# Altium PCB RGV_Control_1V21.PcbDoc (part 5 of 6) (continued)
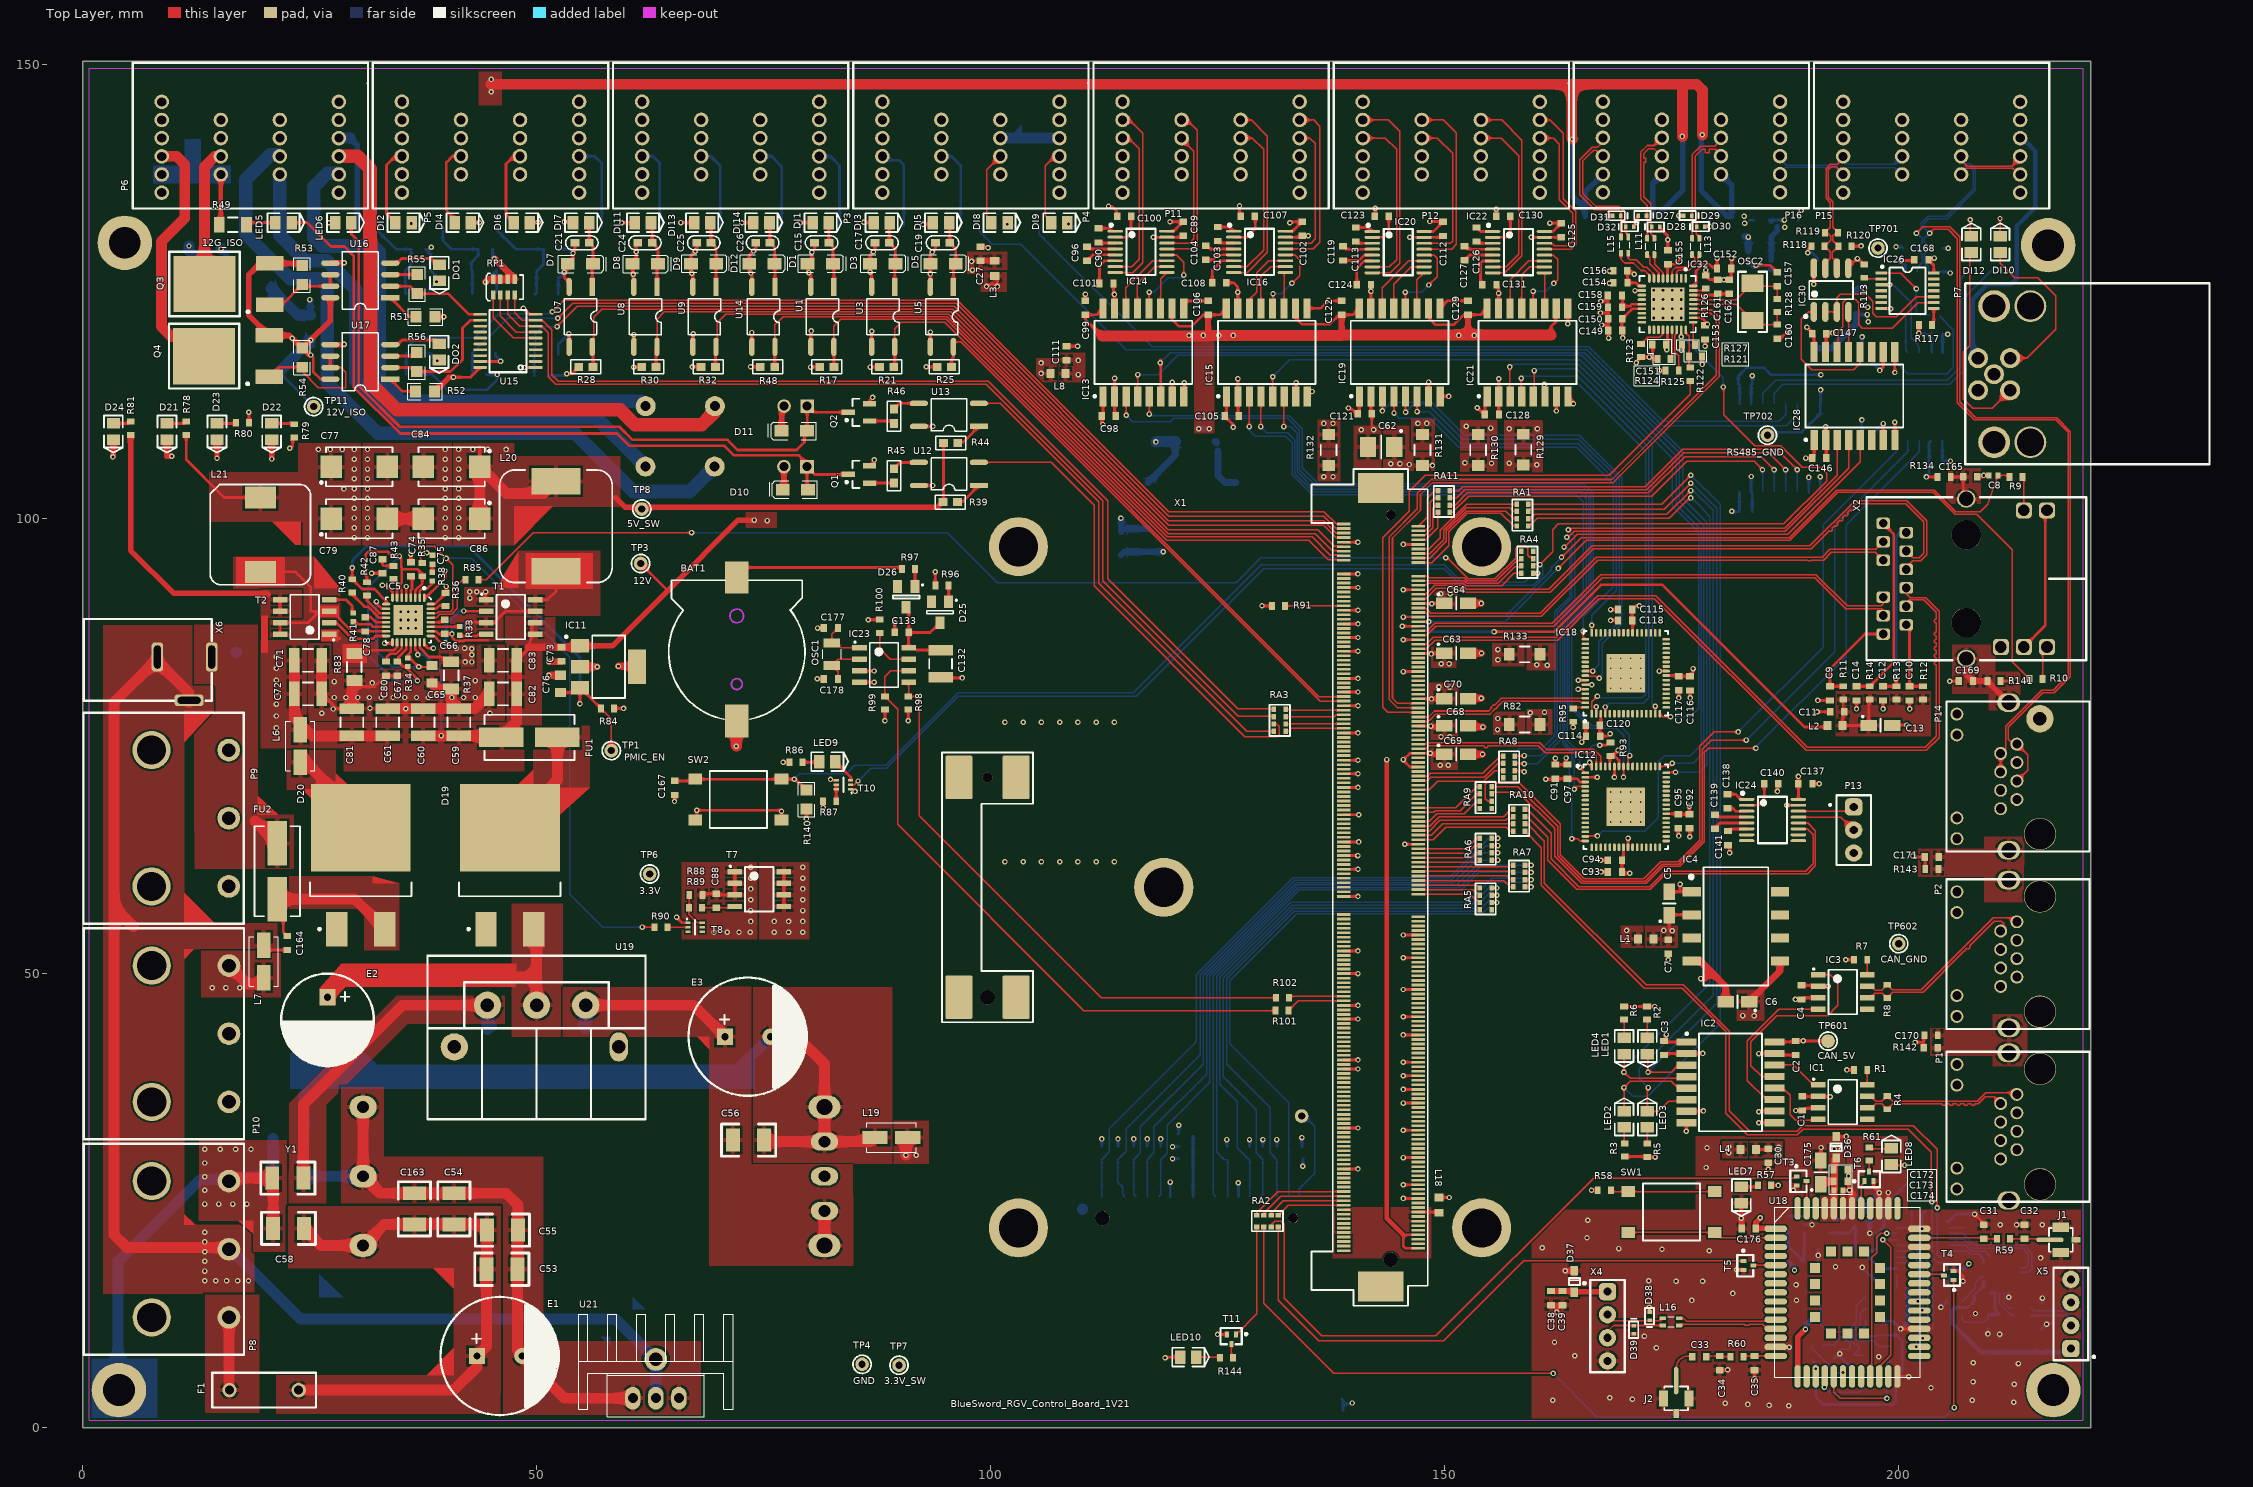
[diagram p0: Top Layer view]
## Nets (pads, with @x,y where several pads share a name; then routed paths per layer and width w, separated by ;. In a path a pad name is that pad's centre, name@x,y a point inside that pad or via, vN(x,y) a via of type N, cw(c..) or ccw(c..) an arc to the next point about the centre after c; other vN are vias at no path point) (continued)
  Bottom Layer w0.75: IC31.5@191.033,118.797 192.597,118.797 195.301,121.501 C145.1@195.301,122.525
  other v1: 196.625,121.7 196.545,123.317
RS485_GND_ISO: C23.1 C143.1 C145.2 C147.1 C168.1 IC6.2 IC6.8 IC25.9 IC25.15 IC26.7 IC27.5 IC28.9 IC28.15 IC30.5 IC31.4 R113.2 R114.2 R117.2 R118.2 TP702.1 | length 34.1
  Top Layer w0.3: v1(189.967,129.311) 189.967,129.665 190.324,130.023 R118.2@190.373,130.023 ; IC28.15@191.912,118.388 191.986,118.462 C147.1@191.986,120.396 192.065,120.475 v1(192.725,120.475) ; IC30.5@194.437,127.597 194.437,127.702 195.4,128.665 v1(195.425,128.665) 195.503,128.665 R113.2@196.164,128.004 ; IC26.7@198.039,123.17 199.055,123.17 v1(199.075,123.15) ; IC28.9@199.532,118.388 199.532,116.145 v1(199.552,116.125) ; v1(200.2,128.45) 201.625,128.45 C168.1@201.7,128.525 ; v1(202.2,120.45) R117.2@202.2,121.35
  Bottom Layer w0.3: IC6.2@183.728,112.673 183.728,114.754 C23.1@183.858,114.884 v1(183.858,115.775) ; TP702.1@185.522,109.22 185.852,109.55 189.281,109.55 191.348,111.618 IC6.8@191.348,112.673 191.375,112.7 v1(191.375,114.2) ; v1(189.967,129.311) 190.437,129.311 191.033,128.715 IC31.4@191.033,128.497 ; IC25.9@195.91,118.288 195.91,120.015 v1(195.936,120.04) ; v1(200.2,128.45) 200.725,127.925 IC27.5@200.725,127.2 ; v1(202.2,120.45) 202.33,120.32 C143.1@203.263,120.32 203.61,119.973 IC25.15@203.61,118.375 ; R114.2@204.828,129.794 v1(205.425,129.794)
  Bottom Layer w0.75: C145.2@195.301,125.125 195.499,125.324 v1(196.24,125.324)
RUN: RA2.8 T11.1 | length 12.8
  Top Layer w0.15: T11.1@127.017,10.214 129.275,12.472 RA2.8@129.275,22.05
RXD: IC9.4 U18.33 | length 8.2
  Bottom Layer w0.15: IC9.4@199.766,18.743 201.607,18.743 202.675,17.675 202.675,12.975 v1(202.575,12.875)
RXD_DBG: IC9.6 U18.30 | length 13.2
  Bottom Layer w0.15: IC9.6@199.766,20.043 199.794,20.015 201.373,20.015 203.708,17.68 203.708,10.883 v1(202.625,9.8)
SHIELD: C165.2 C169.2 C170.2 C171.2 P1.S1 P1.S2 P2.S1 P2.S2 P14.S1 P14.S2 R134.2 R141.2 R142.2 R143.2 X2.S1 X2.S2 | length 12.9
  Top Layer w0.3: R134.2@205.703,104.623 207.061,104.623 C165.2@207.073,104.635 207.073,102.544 X2.S1@207.407,102.21
  Top Layer w0.6: X2.S2@207.407,84.633 207.407,82.893 C169.2@208.15,82.15 R141.2@209.747,82.15 209.747,82.124 P14.S1@212.09,79.781
  Bottom Layer w0.3: P14.S2@211.927,63.525 P14.S2@212.09,63.525
  Bottom Layer w1.2: X2.S2@207.407,84.633 X2.S2@207.407,85.182 ; P2.S2@211.958,43.967 P2.S2@212.09,43.967 ; P14.S2@212.09,63.525 P14.S2@212.09,63.885
SIM_CLK: R63.1 U18.19 | length 6.9
  Bottom Layer w0.15: v1(191.795,4.394) 192.354,3.835 195.555,3.835 196.139,4.42 R63.1@196.139,6.489
SIM_DATA: R64.1 R65.2 U18.21 | length 4.8
  Bottom Layer w0.15: R65.2@190.373,8.95 190.373,8.724 R64.1@191.618,7.479 193.077,6.02 v1(193.85,6.02)
SIM_GND: U18.16 X3.1 | length 6.9
  Top Layer w0.6: U18.16@188.835,5.6 188.835,9.917 v1(189.713,10.795)
  Bottom Layer w0.6: v1(189.713,10.795) 189.713,11.23 X3.1@190.345,11.862
SIM_RST: R62.1 U18.20 | length 12.3
  Top Layer w0.15: U18.20@192.835,5.6 192.835,3.863 193.523,3.175 v1(198.679,3.175)
  Bottom Layer w0.15: v1(198.679,3.175) 198.679,6.971 199.085,7.378 R62.1@199.009,7.454
SIM_VDD: C36.2 C37.1 D43.4 R65.1 U18.18 X3.8 | length 28.8
  Top Layer w0.3: U18.18@190.835,4.635 U18.18@190.835,5.6
  Bottom Layer w0.15: R65.1@190.373,7.5 190.83,7.043 v1(190.83,6.452) ; X3.8@196.345,11.862 196.345,11.153 195.557,10.366 195.557,10.025 197.643,10.025 C37.1@197.739,10.121 198.957,10.121 C36.2@198.958,10.122
  Bottom Layer w0.3: v1(190.83,6.452) 190.83,3.353 191.668,2.515 199.279,2.515 199.635,2.871 199.635,5.388 200.355,6.108 200.355,9.55 199.784,10.122 C36.2@198.958,10.122
TDX_AUX: IC9.7 U18.25 | length 17.5
  Top Layer w0.15: U18.25@197.835,5.6 197.835,6.674 199.075,7.915 199.075,19.8 v1(198.225,20.65)
  Bottom Layer w0.15: v1(198.225,20.65) 199.723,20.65 IC9.7@199.766,20.693
TXD: IC9.3 U18.34 | length 6.3
  Bottom Layer w0.15: IC9.3@199.766,18.093 201.673,18.093 202.135,17.631 202.135,13.91 v1(202.1,13.875)
TXD_DBG: IC9.5 U18.29 | length 13.4
  Bottom Layer w0.15: IC9.5@199.766,19.393 201.432,19.393 203.15,17.675 203.15,11.3 201.9,10.05 v1(201.9,8.875)
UART0_RX_BC20: IC8.12 IC9.16 | length 4.7
  Bottom Layer w0.15: IC9.16@205.466,19.393 207.507,19.393 207.8,19.1 208.725,19.1 209.325,18.5 IC8.12@209.325,18.05
UART0_TX_BC20: IC8.13 IC9.15 | length 5.1
  Bottom Layer w0.15: IC9.15@205.466,20.043 207.357,20.043 208.025,19.375 209.5,19.375 IC8.13@210.075,18.8
UART1_RTS: IC28.3 RA8.6 | length 66.5
  Top Layer w0.15: RA8.6@157.725,73.1 158.706,73.1 v1(158.75,73.056) ; v1(163.6,98.8) 163.6,98.575 164.025,99 187.4,99 193.202,104.802 IC28.3@193.202,108.688
  Bottom Layer w0.15: v1(158.75,73.056) 160.152,73.056 162.725,75.628 162.725,89.529 164.3,91.104 164.3,98.1 v1(163.6,98.8)
UART1_RX_BC20: IC8.20 IC9.14 | length 11.7
  Bottom Layer w0.15: IC9.14@205.466,20.693 207.182,20.693 208.158,19.717 213.633,19.717 214.25,19.1 214.25,17.875 213.925,17.55 IC8.20@213.325,17.55
UART1_RXD: IC28.5 RA8.7 | length 70.2
  Top Layer w0.15: RA8.7@157.725,72.3 158.611,72.3 v1(158.75,72.161) ; v1(163.122,96.9) 163.163,96.9 164.574,98.311 187.736,98.311 195.742,106.317 IC28.5@195.742,108.688
  Bottom Layer w0.15: v1(158.75,72.161) 158.139,72.161 157.675,72.625 157.675,74.225 158.125,74.675 160.654,74.675 162.125,76.146 162.125,89.779 163.732,91.386 163.732,96.515 163.122,97.125 v1(163.122,96.9)
UART1_TX_BC20: IC8.21 IC9.13 | length 13.3
  Bottom Layer w0.15: IC9.13@205.466,21.343 207.009,21.343 208.302,20.05 213.807,20.05 214.6,19.174 214.6,17.375 214.275,17.05 IC8.21@213.325,17.05
UART1_TXD: IC28.4 RA8.5 | length 65.8
  Top Layer w0.15: RA8.5@157.725,73.9 158.7,73.9 v1(158.75,73.95) ; v1(163.425,97.975) 163.588,97.975 164.238,98.625 187.5,98.625 194.472,105.597 IC28.4@194.472,108.688
  Bottom Layer w0.15: v1(158.75,73.95) 160.539,73.95 162.4,75.811 162.4,89.7 163.982,91.282 163.982,97.418 v1(163.425,97.975)
UART2_RTS: IC25.3 RA9.6 | length 88.4
  Top Layer w0.15: RA9.6@155.148,69.723 155.348,69.923 158.102,69.923 162.1,65.925 162.1,62.875 165.1,59.875 172.154,59.875 174.029,61.75 175.882,61.75 178.575,64.443 178.575,74.296 179.033,74.754 v1(184.259,74.754)
  Bottom Layer w0.15: v1(184.259,74.754) 184.259,74.917 194.19,84.848 194.19,99.363 202.24,107.413 IC25.3@202.24,108.588
UART2_RXD: IC25.5 RA9.7 | length 89
  Top Layer w0.15: RA9.7@155.321,68.75 RA9.7@155.148,68.923 154.758,68.923 154.475,69.206 154.475,70.789 154.784,71.098 155.512,71.098 155.718,70.891 158.234,70.891 162.7,66.425 162.7,63.034 165.359,60.375 171.9,60.375 173.775,62.25 175.675,62.25 178.075,64.65 178.075,74.975 179.65,76.55 v1(182.3,76.55)
  Bottom Layer w0.15: v1(182.3,76.55) 191.65,85.9 191.65,99.363 199.7,107.413 IC25.5@199.7,108.588
UART2_TXD: IC25.4 RA9.5 | length 86.9
  Top Layer w0.15: RA9.5@155.148,70.523 158.052,70.523 162.425,66.15 162.425,62.925 165.225,60.125 172.05,60.125 173.925,62 175.779,62 178.325,64.546 178.325,74.65 179.327,75.652 v1(183.198,75.652)
  Bottom Layer w0.15: v1(183.198,75.652) 192.92,85.374 192.92,99.363 200.97,107.413 IC25.4@200.97,108.588
UART3_RXD: IC24.12 RA10.6 | length 43.9
  Top Layer w0.15: RA10.6@158.831,67.221 159.093,67.221 161.35,64.964 161.35,62.4 164.525,59.225 172.6,59.225 174.321,60.946 189.946,60.946 190.8,61.8 190.8,65.675 189.947,66.528 IC24.12@188.93,66.528
UART3_TXD: IC24.11 RA10.5 | length 43
  Top Layer w0.15: RA10.5@158.831,68.021 159.08,68.021 161.697,65.404 161.697,62.591 164.763,59.525 172.546,59.525 174.246,61.225 189.75,61.225 190.55,62.025 190.55,65.225 189.897,65.878 IC24.11@188.93,65.878
USB_BC20_N: L16.4 U18.11 | length 10.8
  Top Layer w0.18: L16.4@175.804,12.008 176.269,12.008 176.602,11.675 182.8,11.675 183.027,11.675 184.995,11.675 186.26,11.675 U18.11@186.435,11.85
USB_BC20_P: L16.3 U18.12 | length 10.7
  Top Layer w0.18: L16.3@176.025,11.33 176.602,11.33 182.8,11.33 183.027,11.33 183.049,11.308 183.049,11.262 183.071,11.24 183.461,11.24 183.483,11.262 183.483,11.308 183.505,11.33 183.7,11.33 184.995,11.33 185.475,10.85 U18.12@186.435,10.85
USB_NB_CON_N: D38.2 L16.1 X4.2 | length 6.5
  Top Layer w0.18: X4.2@167.919,12.395 168.602,11.713 171.156,11.713 173.71,11.713 L16.1@174.004,12.008
USB_NB_CON_P: D39.2 L16.2 X4.3 | length 7
  Top Layer w0.18: X4.3@167.919,9.855 167.919,10.543 168.584,11.208 L16.2@174.004,11.208
USBH2_D_N: IC32.30 X1.82 | length 74.8
  Top Layer w0.18: X1.82@147.062,79.196 144.816,79.196 143.905,80.107 143.905,98.039 146.98,101.114 146.98,102.83 148.5,104.35 168.4,104.35 179.875,115.825 179.875,122.059 179.284,122.65 IC32.30@177.35,122.65
USBH2_D_P: IC32.31 X1.80 | length 74.8
  Top Layer w0.18: X1.80@147.062,79.696 144.804,79.696 144.25,80.25 144.25,97.896 147.325,100.971 147.325,102.687 148.643,104.005 168.543,104.005 180.21,115.672 180.21,122.212 179.422,123 178,123 177.85,123.15 IC32.31@177.35,123.15
USBH2B_D_CON_N: D30.2 L13.3 P16.6 | length 13.4
  Top Layer w0.18: L13.3@178.025,130.9 178.025,131.034 177.665,131.394 177.665,133.77 177.57,133.865 177.57,139.957 178.313,140.7 178.5,140.7 178.652,140.7 cw(c178.652,140.678) 178.674,140.678 178.674,140.331 ccw(c178.696,140.331) 178.696,140.309 179.086,140.309 ccw(c179.086,140.331) 179.108,140.331 179.108,140.678 cw(c179.13,140.678) 179.13,140.7 179.325,140.7 179.775,140.7 180.085,140.39 P16.6@180.085,139.948
USBH2B_D_CON_P: D29.2 L13.4 P16.7 | length 13.4
  Top Layer w0.18: L13.4@177.225,130.9 177.225,131.355 177.225,140.1 178.17,141.045 179.72,141.045 180.407,141.732 P16.7@180.407,141.948
  Bottom Layer w0.18: P16.7@180.009,142.025 P16.7@180.085,141.948
USBH2B_D_N: IC32.3 L13.2 | length 4
  Top Layer w0.18: IC32.3@175.525,126.739 175.525,127.213 175.7,127.389 176.889,127.389 177.846,128.346 177.846,128.859 L13.2@178.07,128.859
USBH2B_D_P: IC32.4 L13.1 | length 4.5
  Top Layer w0.18: IC32.4@175.025,126.475 175.025,127.288 175.416,127.679 176.691,127.679 177.501,128.489 177.501,128.824 L13.1@177.225,129.1
USBH2C_D_CON_N: D28.2 L11.3 P16.10 | length 12.6
  Top Layer w0.18: L11.3@173.075,130.9 173.075,131.034 172.69,131.419 172.69,133.77 172.659,133.801 172.659,134.636 172.659,134.716 171.9,135.475 171.9,138.625 171.9,138.842 171.9,139.254 cw(c171.922,139.254) 171.922,139.276 172.092,139.276 ccw(c172.092,139.298) 172.113,139.298 172.113,139.688 ccw(c172.092,139.688) 172.092,139.71 171.922,139.71 cw(c171.922,139.732) 171.9,139.732 171.9,140.225 172.45,140.775 173.025,140.775 173.585,140.215 P16.10@173.585,139.948
USBH2C_D_CON_P: D27.2 L11.4 P16.11 | length 12.6
  Top Layer w0.18: D27.2@172.259,133.4 172.257,134.55 171.555,135.252 171.555,140.368 172.307,141.12 173.045,141.12 173.585,141.66 P16.11@173.585,141.948 ; L11.4@172.275,130.9 D27.2@172.275,133.4
USBH2C_D_N: IC32.6 L11.2 | length 2.8
  Top Layer w0.18: L11.2@173.1,128.852 173.1,128.044 174.025,127.119 IC32.6@174.025,126.475
USBH2C_D_P: IC32.7 L11.1 | length 3
  Top Layer w0.18: L11.1@172.319,129.144 172.319,129.063 172.568,128.815 172.568,128.088 173.55,127.106 IC32.7@173.55,126.675
USBH2D_D_CON_N: D32.2 L15.3 P16.14 | length 15.9
  Top Layer w0.18: P16.14@167.085,139.948 167.085,140.19 166.675,140.6 166.4,140.6 165.935,140.135 165.2,139.4 165.2,137.008 165.2,135.838 166.643,134.395 169.218,134.395 ; 169.644,133.969 169.218,134.395 ; D32.2@169.857,132.182 169.857,131.616 ; L15.3@170.2,131.042 170.2,131.273 169.857,131.616 ; 169.218,134.395 169.857,133.756 169.857,131.616
USBH2D_D_CON_P: D31.2 L15.4 P16.15 | length 15.7
  Top Layer w0.18: P16.15@167.085,141.948 167.085,141.184 166.808,140.906 166.219,140.906 165.691,140.379 164.855,139.543 164.855,137.008 164.855,135.695 166.5,134.05 169.075,134.05 169.4,133.725 D31.2@169.4,133.194 ; L15.4@169.425,131.042 169.4,131.067 169.4,133.035 ; 169.4,133.035 D31.2@169.4,133.194 ; 169.4,133.035 D31.2@169.4,133.194
USBH2D_D_N: IC32.8 L15.2 | length 4.5
  Top Layer w0.18: L15.2@170.2,129.242 170.2,128.707 170.384,128.524 171.069,128.524 171.893,127.7 172.247,127.7 173.025,126.922 IC32.8@173.025,126.475
USBH2D_D_P: IC32.9 L15.1 | length 4.9
  Top Layer w0.18: L15.1@169.4,129.242 169.4,128.588 169.809,128.179 170.776,128.179 171.599,127.355 172.02,127.355 172.525,126.85 IC32.9@172.525,126.475
USBH3_D_N: IC18.63 X1.88 | length 19.4
  Top Layer w0.18: X1.88@147.062,77.696 148.123,77.696 148.278,77.851 148.35,77.851 149.016,78.517 154.971,78.517 155.557,79.103 155.607,79.103 155.843,79.339 155.843,79.389 156.366,79.912 164.924,79.912 165.019,79.817 165.416,79.817 IC18.63@165.476,79.757
USBH3_D_P: IC18.62 X1.86 | length 19.4
  Top Layer w0.18: X1.86@147.062,78.196 148.207,78.196 148.873,78.862 154.828,78.862 154.988,79.022 155.134,79.168 ccw(c155.119,79.183) 155.134,79.198 155.092,79.24 cw(c155.107,79.256) 155.092,79.271 155.368,79.547 cw(c155.384,79.532) 155.399,79.547 155.441,79.505 ccw(c155.456,79.521) 155.471,79.505 155.763,79.797 156.07,80.104 156.223,80.257 156.444,80.257 156.878,80.257 157.312,80.257 157.746,80.257 158.18,80.257 158.614,80.257 158.831,80.257 IC18.62@165.476,80.257
USBH4_D_N: IC12.63 X1.100 | length 21.6
  Top Layer w0.18: X1.100@147.062,74.696 147.902,74.696 148.237,75.032 154.203,75.032 154.324,75.032 ccw(c154.541,75.032) 154.758,75.032 155.192,75.032 155.626,75.032 160.299,75.032 161.061,74.27 163.097,74.27 163.103,74.275 163.23,74.275 163.719,74.275 163.725,74.27 166.288,74.27 166.676,73.882 IC12.63@166.676,72.751
USBH4_D_P: IC12.62 X1.98 | length 21.9
  Top Layer w0.18: X1.98@147.062,75.196 147.914,75.196 148.094,75.377 160.442,75.377 161.204,74.615 162.954,74.615 162.96,74.62 163.087,74.62 163.862,74.62 163.867,74.615 166.431,74.615 167.176,73.87 IC12.62@167.176,72.751
USBH_EN: IC32.27 R121.2 R122.2 | length 4.4
  Top Layer w0.15: IC32.27@176.525,120.825 176.525,120.489 176.898,120.116 176.898,118.124 176.85,118.076 176.85,117.914 R121.2@176.875,117.889 176.875,116.792 R122.2@177.013,116.655
V5FILT: C67.2 IC5.3 IC5.6 IC5.20 R34.1 R35.2 R42.2 | length 41.7
  Top Layer w0.3: R42.2@31.333,93.029 31.333,93.63 31.202,93.762 31.202,96.099 31.496,96.393 33.63,96.393 34.112,95.91 v1@34.8,95.91 ; v1@34.776,95.934 v1@34.8,95.91 ; v1(34.925,95.91) v1@34.8,95.91 ; 35.105,94.717 35.105,95.605 34.862,95.848 v1@34.8,95.91 ; IC5.6@35.155,91.325 35.155,92.145 35.005,92.295 35.005,92.833 35.155,92.983 35.155,94.667 ; 35.359,94.463 36.921,94.463 37.44,93.944 R35.2@37.44,93.687 37.44,92.895 36.705,92.16 ; IC5.20@35.655,86.425 35.655,85.612 34.788,84.745 34.788,84.303 35.344,83.746 R34.1@35.839,83.746 ; R34.1@35.782,83.499 36.906,82.375 v1(36.906,82.194) ; IC5.3@36.655,91.325 36.655,92.079 36.705,92.129
  Bottom Layer w0.3: v1(34.925,95.91) 31.471,92.456 31.471,85.014 34.29,82.194 v1(36.906,82.194)
VBUS_NB: C43.1 C46.1 D40.1 IC8.7 IC8.8 R66.1 X5.1 | length 20.8
  Bottom Layer w0.3: 206.2,13.175 207.582,13.175 C46.1@208.274,13.867 208.274,14.499 IC8.7@209.325,15.55 IC8.8@209.325,16.05 ; 217.774,8.275 X5.1@218.313,8.814
  Bottom Layer w0.5: 206.2,13.175 205.9,12.875 205.9,11.425 209.05,8.275 217.774,8.275
VCC_1V8: C44.1 IC9.2 R71.1 R74.2 TP10.1 | length 13.6
  Bottom Layer w0.3: IC9.2@199.766,17.443 197.962,17.443 C44.1@197.942,17.463 196.645,18.76 R74.2@196.645,19.406 197.206,19.406 197.561,19.761 197.561,21.351 198.36,22.15 R71.1@198.36,23.866 198.36,24.294 TP10.1@200.736,26.67
VCC_BATT: BAT1.1 R97.1 | length 18.7
  Top Layer w0.3: BAT1.1@72.06,93.549 73.177,94.666 90.055,94.666 R97.1@90.232,94.488
VCC_BATT_R: D26.1 R97.2 | length 1.9
  Top Layer w0.3: D26.1@91.653,92.565 91.682,92.594 R97.2@91.682,94.488
VREF2: C74.2 IC5.4 | length 2.5
  Top Layer w0.3: IC5.4@36.155,91.325 36.155,92.145 36.305,92.295 36.305,93.538 C74.2@36.155,93.688
VREG3: C80.2 IC5.19 | length 3.2
  Top Layer w0.3: C80.2@33.518,84.303 33.518,84.787 33.878,85.147 34.552,85.147 35.155,85.75 IC5.19@35.155,86.425
VREG5: C65.2 IC5.10 IC5.21 R34.2 | length 17
  Top Layer w0.3: v1(32.385,90.907) 32.385,90.829 32.528,90.686 32.528,90.533 32.937,90.125 IC5.10@33.455,90.125 ; 35.839,85.014 36.155,85.33 IC5.21@36.155,86.425 ; R34.2@35.941,84.809 v1(37.031,83.718) 38.318,83.668 C65.2@38.506,83.856
  Bottom Layer w0.3: v1(32.385,90.907) 32.385,85.471 34.188,83.668 v1(37.031,83.718)
VUSB: C38.1 C39.1 D37.1 X4.1 | length 6.6
  Top Layer w0.6: C38.1@161.697,14.999 161.698,15 C39.1@162.95,15 ; C39.1@163.122,14.999 164.465,14.999 164.529,14.935 X4.1@167.919,14.935 X4.1@168.312,14.543
XTAL1: C157.2 IC32.33 OSC2.2 R128.2 | length 11.5
  Top Layer w0.15: IC32.33@177.35,124.15 182.066,124.15 OSC2.2@183.871,125.955 184.207,125.62 C157.2@186.589,125.62 186.601,125.607 R128.2@186.601,124.224
XTAL2: C160.2 IC32.32 OSC2.1 R128.1 | length 11.5
  Top Layer w0.15: IC32.32@177.35,123.65 182.076,123.65 OSC2.1@183.871,121.855 184.322,121.404 C160.2@186.589,121.404 186.601,121.416 R128.1@186.601,122.774
XY01: R18.1 U2.4 X1.1 | length 118.9
  Top Layer w0.15: v1(51.753,122.806) 53.022,124.075 96.35,124.075 119.625,100.8 136.683,100.8 138.037,99.446 X1.1@138.862,99.446
  Bottom Layer w0.15: U2.4@35.662,118.225 35.9,117.987 35.9,118.997 36.878,119.975 43.205,119.975 45.844,122.614 51.56,122.614 v1(51.753,122.806)
  Bottom Layer w0.3: R18.1@35.662,115.937 U2.4@35.662,118.225
XY02: R22.1 U4.4 X1.3 | length 110.9
  Top Layer w0.15: v1(52.349,122.098) 53.984,123.732 96.193,123.732 119.625,100.3 136.683,100.3 138.037,98.946 X1.3@138.862,98.946
  Bottom Layer w0.15: U4.4@42.953,118.25 46.878,122.175 46.955,122.098 v1(52.349,122.098)
  Bottom Layer w0.3: R22.1@42.902,115.886 42.953,115.937 U4.4@42.953,118.25
XY03: R26.1 U6.4 X1.5 | length 105.2
  Top Layer w0.15: v1(52.273,121.183) 52.273,121.208 54.465,123.4 95.975,123.4 119.575,99.8 136.683,99.8 138.037,98.446 X1.5@138.862,98.446
  Bottom Layer w0.15: U6.4@49.847,118.15 49.847,120.357 50.673,121.183 v1(52.273,121.183)
  Bottom Layer w0.3: R26.1@49.745,115.786 49.745,118.049 U6.4@49.847,118.15
XY04: R28.1 U7.4 X1.7 | length 98.9
  Top Layer w0.15: U7.4@56.134,118.95 56.325,119.141 56.325,122.2 57.2,123.075 95.85,123.075 119.625,99.3 136.683,99.3 138.037,97.946 X1.7@138.862,97.946
  Top Layer w0.3: U7.4@56.134,118.95 56.236,118.849 R28.1@56.236,116.738
XY05: R30.1 U8.4 X1.11 | length 91.9
  Top Layer w0.15: U8.4@63.271,118.95 63.271,121.971 64.091,122.791 95.609,122.791 119.575,98.825 136,98.825 137.804,97.021 138.787,97.021 X1.11@138.862,96.946
  Top Layer w0.3: R30.1@63.17,116.738 63.17,118.849 U8.4@63.271,118.95
XY06: R32.1 U9.4 X1.13 | length 85.1
  Top Layer w0.15: U9.4@69.698,118.882 U9.4@69.765,118.95 69.925,119.11 69.925,121.625 70.825,122.525 95.384,122.525 119.538,98.371 135.746,98.371 137.597,96.521 138.787,96.521 X1.13@138.862,96.446
  Top Layer w0.3: R32.1@69.698,116.738 U9.4@69.698,118.882
XY07: R48.1 U14.4 X1.15 | length 78.5
  Top Layer w0.15: U14.4@76.259,118.95 76.259,121.359 77.15,122.25 95.2,122.25 119.432,98.018 135.393,98.018 137.39,96.021 138.787,96.021 X1.15@138.862,95.946
  Top Layer w0.3: R48.1@76.225,116.738 76.225,118.916 U14.4@76.259,118.95
XY08: R17.1 U1.4 X1.17 | length 71.9
  Top Layer w0.15: U1.4@82.753,118.95 82.753,121.24 83.489,121.975 95.1,121.975 119.411,97.664 135.039,97.664 137.183,95.521 138.787,95.521 X1.17@138.862,95.446
  Top Layer w0.3: R17.1@82.753,116.738 U1.4@82.753,118.95
XY09: R21.1 U3.4 X1.77 | length 71
  Top Layer w0.15: U3.4@89.433,118.075 U3.4@89.433,118.95 89.433,120.939 90.144,121.65 94.941,121.65 136.145,80.446 X1.77@138.862,80.446
  Top Layer w0.3: R21.1@89.332,116.738 89.433,116.84 U3.4@89.433,118.075
XY10: R25.1 U5.4 X1.79 | length 62.2
  Top Layer w0.15: U5.4@95.91,118.95 U5.4@95.91,119.71 ; U5.4@96.075,119.546 96.126,119.495 96.73,119.495 136.279,79.946 X1.79@138.862,79.946
  Top Layer w0.3: R25.1@95.707,116.738 95.707,117.597 95.91,117.8 U5.4@95.91,118.95
XY11: IC6.11 RA11.5 | length 43.5
  Top Layer w0.15: RA11.5@150.553,103.125 151.525,103.125 151.95,103.55 172.05,103.55 176.175,107.675 186.538,107.675 v1(188.788,105.425)
  Bottom Layer w0.15: IC6.11@188.788,102.973 v1(188.788,105.425)
XY12: IC6.12 RA11.6 | length 42.2
  Top Layer w0.15: RA11.6@150.553,102.325 151.3,102.325 152.175,103.2 172.225,103.2 176.3,107.275 185.668,107.275 v1(187.518,105.425)
  Bottom Layer w0.15: IC6.12@187.518,102.973 v1(187.518,105.425)
XY13: IC6.13 RA11.7 | length 40.9
  Top Layer w0.15: RA11.7@150.553,101.525 151.15,101.525 152.5,102.875 172.425,102.875 176.4,106.85 184.823,106.85 v1(186.248,105.425)
  Bottom Layer w0.15: IC6.13@186.248,102.973 v1(186.248,105.425)
XY14: IC6.14 RA11.8 | length 39.6
  Top Layer w0.15: RA11.8@150.553,100.725 150.825,100.725 152.625,102.525 172.8,102.525 176.625,106.35 184.053,106.35 v1(184.978,105.425)
  Bottom Layer w0.15: IC6.14@184.978,102.973 v1(184.978,105.425)
pads on no net: D19.1 D20.1 D25.2 D26.2 IC8.0 IC26.4 IC26.5 IC26.6 IC26.11 IC26.12 IC26.13 P1. P2. P3.0 P4.0 P5.0 P6.0 P7. P7.5 P8. P9. P10. P11.0 P12.0 P14. P15.0 P16.0 U19. X1. X1.BE1 X1.BE2 X2.X X3.9 X7.

## Polygon pours and split planes (outlines as drawn)
GND on Top Layer "Top Layer-GND 9" (solid, remove dead copper, pour order 338): 200.99,32.08 200.99,21.895 177.648,21.895 177.648,32.029
GND on Top Layer "Top Layer-GND 10" (solid, remove dead copper, pour order 336): 159.562,23.927 159.562,0.75 220.243,0.75 220.243,23.927
AGND on Top Layer "Top Layer-AGND" (solid, remove dead copper, pour order 328): 137.643,24.232 148.488,24.232 148.488,18.593 137.643,18.593
SHIELD on Top Layer "Top Layer-SHIELD 1" (solid, remove dead copper, pour order 242): 209.862,83.175 213.375,83.175 213.375,78.926 209.887,78.926
SHIELD on Top Layer "Top Layer-SHIELD 2" (solid, remove dead copper, pour order 240): 205.875,86.16 205.875,80.747 210.575,80.747 210.588,80.76 210.588,86.175
SHIELD on Top Layer "Top Layer-SHIELD 5" (solid, remove dead copper, pour order 232): 202.125,63.675 202.125,60.6 210.375,60.6 210.375,63.675
ETH1_CTREF_ALL on Top Layer "Top Layer-ETH1_CTREF_ALL" (solid, remove dead copper, pour order 228): 193.025,81.025 203.475,81.025 203.475,76.05 193.025,76.05
NetC78_1 on Top Layer "Top Layer-NetC78_1 1" (solid, remove dead copper, pour order 174): 24.185,92.35 24.185,88.341 28.375,88.341 28.375,92.35
NetC66_1 on Top Layer "Top Layer-NetC66_1 1" (solid, remove dead copper, pour order 170): 39.35,86.538 39.35,89.483 42.944,89.483 42.967,86.538
NetC66_1 on Top Layer "Top Layer-NetC66_1 2" (solid, remove dead copper, pour order 168): 49.45,92.441 42.04,92.441 42.025,92.456 42.011,92.442 42.011,86.525 49.525,86.525
GND on Top Layer "Top Layer-GND" (solid, remove dead copper, pour order 80): 24.913,83.488 24.913,77.8 46.175,77.8 46.175,83.488
NetC56_2 on Top Layer "Top Layer-NetC56_2 2" (solid, remove dead copper, pour order 354): 22.708,24.587 22.741,24.554 26.873,24.554 26.873,35.382 26.822,35.433 35.814,44.425 46.533,44.425 46.533,47.498 34.671,47.498 34.646,47.523 22.809,35.687 22.809,31.725
NetIC5_18 on Top Layer "Top Layer-NetIC5_18" (solid, remove dead copper, pour order 350): 27.407,87.815 27.407,83.499 32.588,83.499 32.588,87.784
OUT_12V+ on Top Layer "Top Layer-OUT_12V+ 5" (solid, remove dead copper, pour order 346): 49.868,89.357 49.868,86.081 52.05,86.081 52.05,89.357
OUT_12V+ on Top Layer "Top Layer-OUT_12V+ 6" (solid, remove dead copper, pour order 344): 28.778,76.36 28.778,72.212 48.641,72.212 48.641,76.397
NetIC5_23 on Top Layer "Top Layer-NetIC5_23 1" (solid, remove dead copper, pour order 158): 39.25,82.861 43.3,82.861 43.3,86.157 39.25,86.157
NetIC5_23 on Top Layer "Top Layer-NetIC5_23" (solid, remove dead copper, pour order 166): 42.025,90.322 45.468,90.322 45.468,92.456 42.025,92.456
3.3V_APALIS on Top Layer "Top Layer-3.3V_APALIS 5" (solid, remove dead copper, pour order 308): 148.675,92.177 151.384,92.177 151.384,90.043 148.675,90.043
3.3V_APALIS on Top Layer "Top Layer-3.3V_APALIS 4" (solid, remove dead copper, pour order 310): 148.502,86.081 148.502,83.642 151.257,83.642 151.257,86.081
3.3V_APALIS on Top Layer "Top Layer-3.3V_APALIS 1" (solid, remove dead copper, pour order 318): 148.438,77.876 148.438,75.641 151.435,75.641 151.435,77.876
GND on Top Layer "Top Layer-GND 5" (solid, remove dead copper, pour order 124): 13.075,52.475 13.075,47.325 21.825,47.325 21.825,52.475
SHIELD on Top Layer "Top Layer-SHIELD" (solid, remove dead copper, pour order 244): 205.225,105.569 205.225,101.7 209,101.7 209,105.629
3.3V on Top Layer "Top Layer-3.3V 2" (solid, remove dead copper, pour order 188): 74.325,62.196 74.325,53.725 66,53.725 66,62.196
GND on Top Layer "Top Layer-GND 1" (solid, remove dead copper, pour order 84): 46.533,86.17 43.425,86.17 43.425,77.81 46.533,77.81
GND on Top Layer "Top Layer-GND 2" (solid, remove dead copper, pour order 82): 24.9,86.325 24.9,78.525 27.4,78.525 27.4,86.325
NetC78_1 on Top Layer "Top Layer-NetC78_1 2" (solid, remove dead copper, pour order 342): 20.549,89.124 20.549,86.734 26.086,86.734 26.086,89.124
OUT_12V+ on Top Layer "Top Layer-OUT_12V+ 2" (solid, remove dead copper, pour order 86): 24.173,92.208 19.672,92.208 19.647,89.124 24.173,89.124
OUT_12V+ on Top Layer "Top Layer-OUT_12V+ 4" (solid, remove dead copper, pour order 332): 73.025,100.762 73.025,99.009 76.454,99.009 76.454,100.762
5V_SW on Top Layer "Top Layer-5V_SW 2" (solid, remove dead copper, pour order 330): 43.663,149.223 43.663,145.567 46.203,145.567 46.203,149.223
3.3V_APALIS on Top Layer "Top Layer-3.3V_APALIS" (solid, remove dead copper, pour order 320): 148.463,74.803 148.463,72.369 151.435,72.364 151.435,74.803
3.3V_APALIS on Top Layer "Top Layer-3.3V_APALIS 2" (solid, remove dead copper, pour order 316): 151.46,79.604 151.46,81.94 148.238,81.94 148.238,79.604
3.3V on Top Layer "Top Layer-3.3V 3" (solid, remove dead copper, pour order 314): 158.928,79.045 158.928,76.251 161.823,76.251 161.823,79.045
3.3V_APALIS on Top Layer "Top Layer-3.3V_APALIS 3" (solid, remove dead copper, pour order 312): 158.826,78.79 158.826,76.251 155.321,76.251 155.321,78.79
3.3V on Top Layer "Top Layer-3.3V 4" (solid, remove dead copper, pour order 306): 159.004,86.309 159.004,83.363 162.23,83.363 162.23,86.309
3.3V_APALIS on Top Layer "Top Layer-3.3V_APALIS 6" (solid, remove dead copper, pour order 304): 155.219,86.309 155.219,83.795 158.775,83.795 158.775,86.309
3.3V_APALIS on Top Layer "Top Layer-3.3V_APALIS 7" (solid, remove dead copper, pour order 302): 156.566,107.62 160.782,107.62 160.782,105.156 156.566,105.156